# Allegro board LAY-29364_B.brd
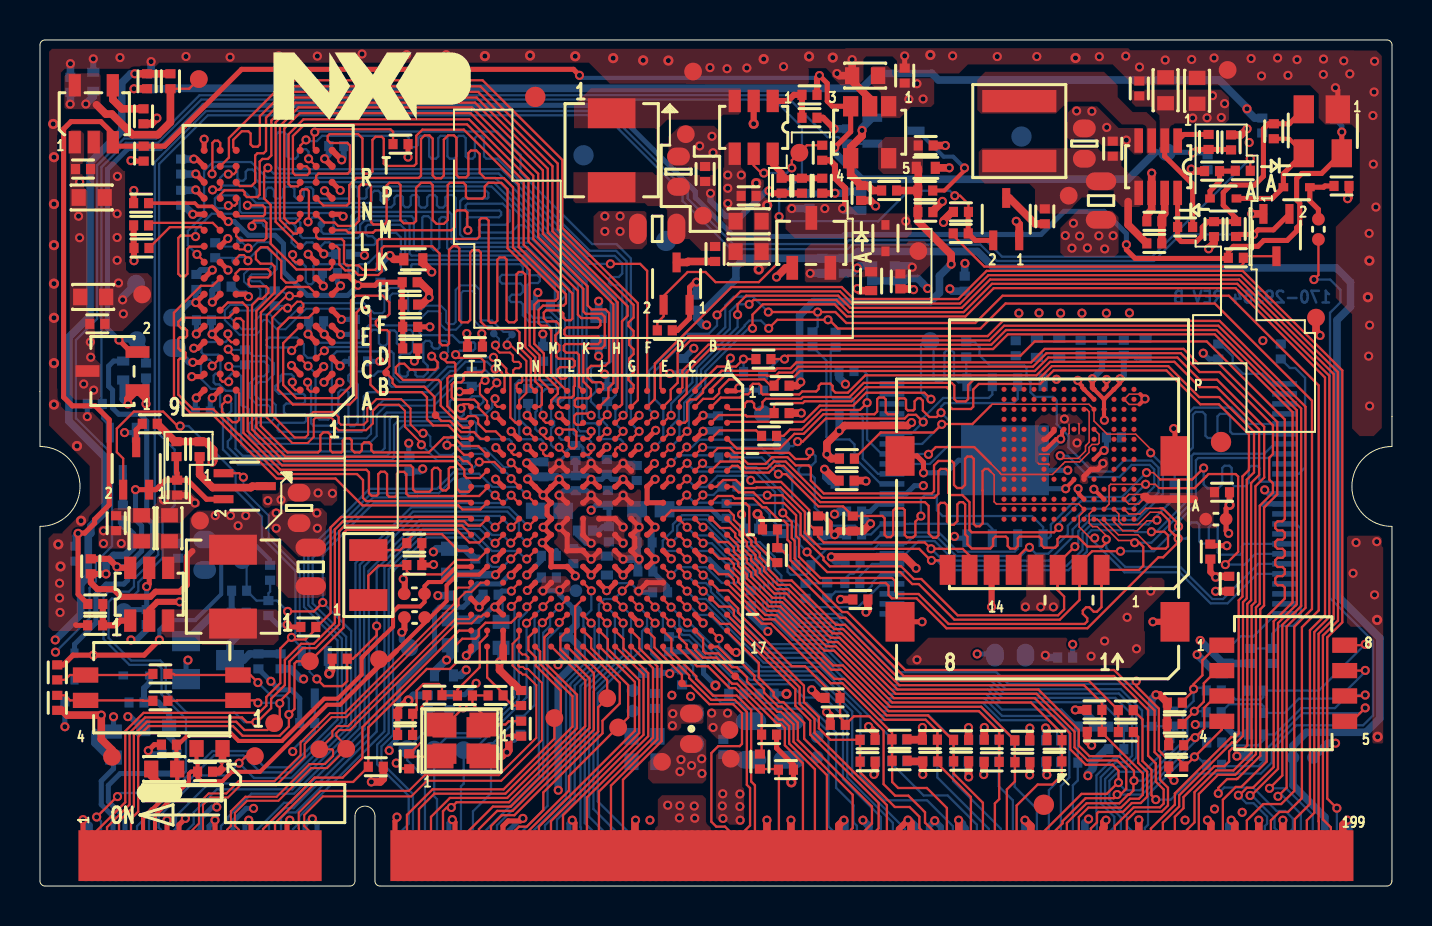
[diagram p0: board, top side]
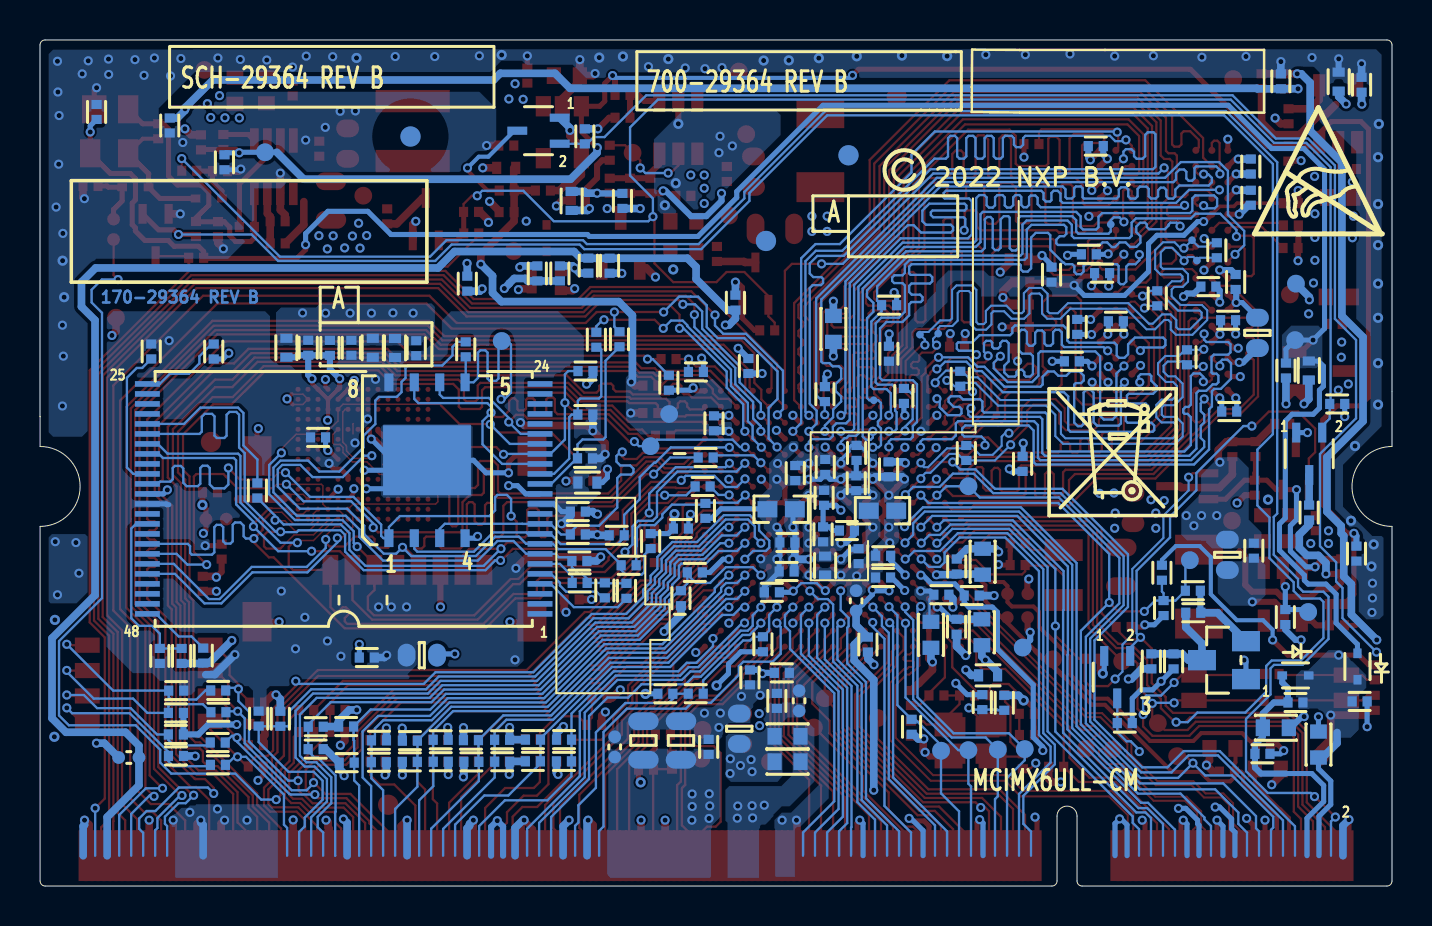
[diagram p1: board, bottom side, seen from below]

Outline 67.61 x 42.35 mm; copper layers: TOP, GND, POWER, BOTTOM. Coordinates in mm from the lower left corner of the outline.
Outline path: 0,42.09 arc(0.07,42.27) 0.25,42.35 67.35,42.35 arc(67.53,42.27) 67.61,42.09 67.61,23.5 67.6,23.49 67.6,22 arc(65.6,20) 67.6,18 67.6,0.25 arc(67.53,0.07) 67.35,0 17,0 arc(16.82,0.07) 16.75,0.25 16.75,3.5 arc(16.25,4) 15.75,3.5 15.75,0.25 arc(15.68,0.07) 15.5,0 0.25,0 arc(0.07,0.07) 0,0.25 0,18 arc(2,19.94) 0.12,22 0,22 0,24.75 0,42.09

## Design rules (mm)
constraint set DEFAULT: min track width 0.114, pair gap 0.152
net group DIFFPAIR0: nets USB_OTG2_DN USB_OTG2_DP
net group DIFFPAIR4: nets CLK1_N CLK1_P
net group DIFFPAIR5: nets USB_OTG1_DN USB_OTG1_DP
net group M-DDRADDRESS: nets DRAM_ADDR1 DRAM_ADDR2 DRAM_ADDR3 DRAM_ADDR4 DRAM_ADDR5 DRAM_ADDR6 DRAM_ADDR7 DRAM_ADDR8 DRAM_ADDR9 DRAM_ADDR10 DRAM_ADDR11 DRAM_ADDR12 DRAM_ADDR13 DRAM_ADDR14 DRAM_ADDR15 DRAM_CAS_B DRAM_CS0_B DRAM_CS1_B DRAM_ODT0 DRAM_ODT1 DRAM_RAS_B DRAM_SDBA0 DRAM_SDBA1 DRAM_SDBA2 DRAM_SDWE_B
net group M-DDRDATA0: nets DRAM_DATA1 DRAM_DATA2 DRAM_DATA3 DRAM_DATA4 DRAM_DATA5 DRAM_DATA6 DRAM_DATA7 DRAM_DQM0
net group M-DDRDATA1: nets DRAM_DATA8 DRAM_DATA9 DRAM_DATA10 DRAM_DATA11 DRAM_DATA12 DRAM_DATA13 DRAM_DATA14 DRAM_DATA15 DRAM_DQM1 DRAM_SDQS1_N DRAM_SDQS1_P
net group M-SD1: nets SD1_CLK SD1_CMD SD1_DATA0 SD1_DATA1 SD1_DATA2 SD1_DATA3
net group NAND-DATA: nets NAND_DATA0
net group QSPIDATA: nets NAND_CLE NAND_NCE0 NAND_NCE1 NAND_NREADY
nets with their own width: min track width 0.203; nets NVCC_NAND

## Placement (name value [footprint] x y rotation side)
C101  22UF  [CC0603_OV]  12.95 18.92 90 top
C102  0.22uF  [0402_CC]  30.27 15.74 0 bottom
C103  0.22uF  [0402_CC]  30.24 17.2 0 bottom
C106  22UF  [CC0603]  30.54 18.86 0 bottom
C107  4.7uF  [CC0402_TOL0P15]  28.35 16.04 270 bottom
C108  0.22uF  [0402_CC]  27.25 17.79 0 bottom
C109  0.22uF  [0402_CC]  28.45 17.6 90 bottom
C111  0.22uF  [0402_CC]  28.4 19.43 270 bottom
C112  0.22uF  [0402_CC]  26.67 16.51 270 bottom
C113  0.22uF  [0402_CC]  26.79 20.16 90 bottom
C116  22UF  [CC0603]  25.48 18.78 180 bottom
C117  4.7uF  [CC0402_TOL0P15]  20.2 10.54 180 bottom
C118  0.22uF  [0402_CC]  25.45 15.44 0 bottom
C119  0.22uF  [0402_CC]  21.77 12.98 270 bottom
C120  10uF  [0603_CC]  20.51 12.7 270 bottom
C121  0.22uF  [0402_CC]  22.53 14.58 180 bottom
C122  10uF  [0603_CC]  23.05 12.57 270 bottom
C123  0.22uF  [0402_CC]  21.02 14.54 180 bottom
C124  0.22uF  [0402_CC]  25.44 16.53 0 bottom
C201  0.22UF  [0402_CC]  25.17 20.86 270 bottom
C202  0.22UF  [0402_CC]  17.02 30.6 90 bottom
C203  0.22UF  [0402_CC]  5.06 34.18 180 top
C204  0.22UF  [0402_CC]  25.16 26.64 90 bottom
C205  0.22UF  [0402_CC]  15.16 31.62 0 bottom
C206  0.22UF  [0402_CC]  14.5 30.68 0 bottom
C207  0.22UF  [0402_CC]  13.81 28.27 0 bottom
C208  0.22UF  [0402_CC]  7.82 30.23 270 bottom
C209  0.22UF  [0402_CC]  9.18 30 180 bottom
C210  0.22UF  [0402_CC]  14.81 37.04 0 bottom
C211  22UF  [CC0603_OV]  6.73 27.69 90 bottom
C212  0.22UF  [0402_CC]  26.77 21.68 270 bottom
C213  0.22UF  [0402_CC]  15.74 27.99 270 bottom
C214  0.22UF  [0402_CC]  16.01 26.26 0 bottom
C215  0.22UF  [0402_CC]  29.84 20.67 270 bottom
C216  0.22UF  [0402_CC]  21.75 26.99 180 top
C217  0.22UF  [0402_CC]  8.14 23.75 180 bottom
C218  0.22UF  [0402_CC]  8.2 28.32 0 bottom
C219  0.22UF  [0402_CC]  7.06 34.45 270 bottom
C220  0.22UF  [0402_CC]  7.06 36.01 270 bottom
C221  0.22UF  [0402_CC]  28.34 20.98 270 bottom
C222  0.1uF  [0402_CC]  18.48 30.22 180 top
C223  4.7uF  [CC0402_TOL0P15]  18.67 31.37 180 top
C224  0.1uF  [0402_CC]  18.51 26.91 0 top
C225  10uF  [0603_CC]  27.93 27.88 90 bottom
C226  0.22UF  [0402_CC]  18.47 21.13 90 bottom
C227  2.2pF  [0402_CC]  11.74 29.42 90 bottom
C228  2.2pF  [0402_CC]  10.25 26.46 270 bottom
C229  2.2pF  [0402_CC]  21.29 21.68 270 bottom
C230  2.2pF  [0402_CC]  21.59 25.39 270 bottom
C301  4.7uF  [CC0402_TOL0P15]  50.97 26.94 90 bottom
C303  0.1uF  [0402_CC]  52.04 26.94 90 bottom
C304  4.7uF  [CC0402_TOL0P15]  55.28 26.94 90 bottom
C305  0.1uF  [0402_CC]  54.19 26.94 90 bottom
C306  0.1uF  [0402_CC]  53.11 26.94 90 bottom
C308  4.7uF  [CC0402_TOL0P15]  40.23 20.19 180 bottom
C309  0.1uF  [0402_CC]  40.71 18.74 180 bottom
C310  0.1uF  [0402_CC]  58.52 16.74 270 top
C311  0.1uF  [0402_CC]  59.11 19.71 0 top
C312  1.0UF  [CC0402_25]  58.8 18.36 0 top
C313  0.1uF  [0402_CC]  51.26 11.44 0 bottom
C314  22UF  [CC0603_OV]  48.51 11.56 180 bottom
C315  0.1uF  [0402_CC]  48.79 26.92 90 bottom
C316  4.7uF  [CC0402_TOL0P15]  49.85 26.93 90 bottom
C318  0.1uF  [0402_CC]  53.7 22.46 180 bottom
C319  0.1uF  [0402_CC]  46.24 30.15 90 bottom
C321  0.1uF  [0402_CC]  40.34 20.29 180 top
C322  0.1uF  [0402_CC]  41.02 14.34 0 top
C323  0.1uF  [0402_CC]  59.47 15.13 90 top
C401  0.22UF  [0402_CC]  31.01 14.7 0 bottom
C402  0.22UF  [0402_CC]  32.1 10.44 270 bottom
C403  0.22UF  [0402_CC]  35.56 17.89 0 bottom
C404  0.22UF  [0402_CC]  32.18 26.03 90 bottom
C405  0.22UF  [0402_CC]  33.9 23.16 90 bottom
C407  1.0UF  [CC0402_25]  18.73 13.44 180 top
C408  10uF  [0603_CC]  20.47 16.23 90 bottom
C409  0.1uF  [0402_CC]  21.77 15.99 90 bottom
C410  0.1uF  [0402_CC]  26.21 12.09 270 bottom
C411  1.0UF  [CC0402_25]  26.8 14.27 90 bottom
C412  1.0UF  [CC0402_25]  18.72 14.63 180 top
C413  0.22UF  [0402_CC]  30.51 10.67 180 bottom
C414  820pF  [0402_CC]  36.5 17.85 0 top
C415  18PF  [0402_CC]  37.07 17.27 270 bottom
C416  18PF  [0402_CC]  37.3 5.83 0 top
C417  18PF  [0402_CC]  36.34 9.62 180 bottom
C418  18PF  [0402_CC]  36.16 25.19 90 bottom
C420  18PF  [0402_CC]  31.46 12.1 90 bottom
C421  18PF  [0402_CC]  36.46 7.58 0 top
C422  18PF  [0402_CC]  34.81 25.73 0 bottom
C423  18PF  [0402_CC]  34.33 18.78 90 bottom
C501  0.1uF  [0402_CC]  12.03 11.25 270 bottom
C503  0.1uF  [0402_CC]  11.42 13.91 270 bottom
C505  18PF  [0402_CC]  18.26 8.62 180 top
C506  18PF  [0402_CC]  24.06 7.88 270 top
C507  18PF  [0402_CC]  18.72 16.06 0 top
C508  18PF  [0402_CC]  18.72 17.16 0 top
C701  10uF  [0603_CC]  2.66 29.48 0 top
C702  10uF  [0603_CC]  5.08 17.91 90 top
C703  0.1uF  [0402_CC]  3.81 18.16 90 top
C704  10uF  [0603_CC]  6.48 17.91 90 top
C705  22UF  [CC0603_OV]  8.23 16.58 270 bottom
C706  0.1uF  [0402_CC]  6.91 16.78 270 bottom
C707  0.1uF  [0402_CC]  2.76 13.05 180 top
C708  0.1uF  [0402_CC]  2.86 28.14 0 top
C709  4.7uF  [CC0402_TOL0P15]  4.16 25.8 270 bottom
C710  0.1uF  [0402_CC]  5.3 25.8 270 bottom
C711  10uF  [0603_CC]  56.28 39.83 90 top
C712  10uF  [0603_CC]  57.86 39.8 90 top
C713  0.1uF  [0402_CC]  54.97 39.92 90 top
C714  22UF  [CC0603_OV]  52.22 37.16 90 top
C715  0.1uF  [0402_CC]  53.64 36.9 90 top
C716  10uF  [0603_CC]  2.58 34.46 0 top
C717  0.1uF  [0402_CC]  2.15 35.89 0 top
C718  4.7uF  [CC0402_TOL0P15]  2.67 40.26 90 bottom
C719  0.1uF  [0402_CC]  1.52 40.11 90 bottom
C720  0.022UF  [0402_CC]  5.18 38.53 270 top
C721  4.7uF  [CC0402_TOL0P15]  41.02 34.29 90 bottom
C722  0.1uF  [0402_CC]  38.48 34.29 90 bottom
C723  4.7uF  [CC0402_TOL0P15]  41.56 30.28 270 top
C724  0.1uF  [0402_CC]  43.02 30.27 270 top
C725  10uF  [0603_CC]  35.43 31.75 0 top
C726  0.1uF  [0402_CC]  35.43 34.54 0 top
C727  22UF  [CC0603_OV]  31.93 35.76 90 top
C728  0.1uF  [0402_CC]  33.26 35.64 90 top
C729  10uF  [0603_CC]  35.43 33.27 0 top
C730  10uF  [0603_CC]  41.26 40.56 180 top
C731  0.1uF  [0402_CC]  43.24 40.56 90 top
C732  4.7uF  [CC0402_TOL0P15]  44.29 35.95 0 top
C733  0.1uF  [0402_CC]  44.29 37.06 0 top
C735  0.1uF  [0402_CC]  38.48 38.46 0 top
C736  0.1uF  [0402_CC]  46.05 33.74 180 top
C737  0.22UF  [0402_CC]  58.7 32.88 270 top
C738  1.0UF  [CC0402_25]  63.93 32.87 90 top
C739  1000pF  [0402_CC]  58.61 35.78 180 top
C740  0.1uF  [0402_CC]  64.78 38.74 90 bottom
C741  0.1uF  [0402_CC]  61.12 38.06 270 bottom
C742  0.1uF  [0402_CC]  5.56 40.28 90 bottom
C743  1000pF  [0402_CC]  1.78 16.64 270 bottom
C744  1000pF  [0402_CC]  5.18 36.66 270 top
C745  1000pF  [0402_CC]  2.74 24.13 180 bottom
C746  1000pF  [0402_CC]  31.24 27.81 0 top
C747  1000pF  [0402_CC]  58.38 36.22 270 bottom
C801  10uF  [0603_CC]  3.68 7.08 90 bottom
C802  0.1uF  [0402_CC]  1.62 9.24 180 bottom
C803  10uF  [0603_CC]  5.81 7.92 180 bottom
C804  0.1uF  [0402_CC]  6.48 6.62 180 bottom
C805  4.7uF  [0603_CC]  6.21 5.86 180 top
C806  0.1uF  [0402_CC]  6.45 7.08 180 top
C807  4.7uF  [0603_CC]  8.48 6.89 0 top
C808  0.1uF  [0402_CC]  8.25 5.73 0 top
C809  1.0UF  [CC0402_25]  63.17 6.43 0 bottom
C811  0.1uF  [0402_CC]  34.17 6.96 90 bottom
C812  1.0UF  [CC0402_25]  38.87 6.96 90 bottom
C813  47uF  [CC0805_OV]  35.55 7.29 90 bottom
C814  47uF  [CC0805_OV]  37.43 7.29 90 bottom
C815  0.1uF  [0402_CC]  30.76 9.27 90 bottom
C816  1.0UF  [CC0402_25]  29.65 9.27 90 bottom
C817  22UF  [CC0603_OV]  32.64 7.87 90 bottom
C818  0.1uF  [0402_CC]  32.83 29.2 90 bottom
C819  22pF  [0402_CC]  37.08 35.05 90 top
C820  22pF  [0402_CC]  2.54 16 90 top
D102  RB521S30T1G  [SOD_523]  1.73 10.99 270 bottom
D103  RB521S30T1G  [SOD_523]  4.83 10.54 180 bottom
D701  RB521S30T1G  [SOD_523]  42.28 32.43 90 top
D702  RB521S30T1G  [SOD_523]  59.17 34.41 180 top
D705  RB521S30T1G  [SOD_523]  62.84 34.98 0 top
J301  CON_SD_CARD8  [CON8_MICROSD_1P1_SMT]  49.88 18.48 0 top
L701  1uH  [IND_4020]  48.97 37.79 270 top
L702  2.2uH  [IND2_SQ4P31_2_SM]  9.65 14.99 90 top
L703  2.2uH  [IND2_SQ4P31_2_SM]  28.58 36.83 270 top
L801  120OHM  [0603_CC]  30.23 6.22 180 bottom
L802  120OHM  [0603_CC]  30.23 7.49 180 bottom
NOREF  -  []  43 13.23 0 top
NOREF#2  -  []  -61.73 19.12 90 top
NOREF#3  -  []  -61.73 19.12 0 top
NOREF#4  -  []  4.88 24.82 90 top
NOREF#5  -  []  49.85 26.46 90 top
NOREF#6  -  [unnamed#2]  50.2 4.07 0 top
NOREF#7  -  []  -24.27 8.35 90 top
NOREF#8  -  []  41.23 30.85 0 top
NOREF#9  -  []  55.53 23.39 90 top
NOREF#10  -  []  58.51 34.41 0 top
NOREF#11  -  []  38.58 -21.86 90 top
NOREF#12  -  []  -61.73 19.12 90 top
NOREF#13  -  []  28.35 15.57 90 top
NOREF#14  -  []  40.12 31.29 90 top
NOREF#15  -  []  41.52 -30.56 0 top
NOREF#16  -  []  38.58 -20.56 0 top
NOREF#17  -  []  -352.81 199.14 0 top
NOREF#18  -  []  58.26 2.1 90 top
NOREF#19  -  []  40.81 19.87 0 top
NOREF#20  -  []  56.11 26.37 90 top
NOREF#21  -  []  33.52 -10.65 0 top
NOREF#22  -  []  48.89 25.21 0 top
NOREF#23  -  []  40.83 8.96 90 top
NOREF#24  -  []  60.58 20.29 0 top
NOREF#25  -  []  40.7 33.71 0 top
NOREF#26  -  []  9.65 13.14 90 top
NOREF#27  -  []  -24.92 12.43 90 top
NOREF#28  -  []  2.18 10.34 90 top
NOREF#29  -  []  41.56 29.8 90 top
NOREF#30  -  []  46.35 17.41 90 top
NOREF#31  -  []  -26.46 -46.29 0 top
NOREF#32  -  []  -13.01 -44.79 90 top
NOREF#33  -  []  50.64 26.37 0 top
NOREF#34  -  []  4.53 24.23 90 top
NOREF#35  -  []  44.61 -29.09 0 top
NOREF#36  -  []  32.57 -10.65 90 top
NOREF#37  -  []  38.16 -10.3 90 top
NOREF#38  -  []  -9.52 -21.76 0 top
NOREF#39  -  []  -25.91 -44.79 0 top
NOREF#40  -  []  50.68 26.36 90 top
NOREF#41  -  []  40.38 9.52 90 top
NOREF#42  -  []  35.46 34.78 0 top
NOREF#43  -  []  55.6 14.03 0 top
NOREF#44  -  []  41.96 19.87 90 top
NOREF#45  -  []  -47.42 69.06 90 top
NOREF#46  -  []  18.47 -43.03 0 top
NOREF#47  -  []  51.79 26.37 90 top
NOREF#48  -  []  2.28 10.56 0 top
NOREF#49  -  []  60.41 1.55 0 top
NOREF#50  -  []  37.72 -40.48 90 top
NOREF#51  -  []  37.52 -30.56 0 top
NOREF#52  -  []  62.17 34.98 0 top
NOREF#53  -  []  -23.46 -38.79 0 top
NOREF#54  -  []  9.32 7.84 0 top
NOREF#55  -  []  0 0 0 top
NOREF#56  -  []  -392.57 -304.73 0 top
NOREF#57  -  []  2.67 39.78 90 top
NOREF#58  -  []  3.49 39.68 90 top
NOREF#59  -  []  2.34 39.68 0 top
NOREF#60  -  []  33.18 -30.4 90 top
NOREF#61  -  []  27.52 15.97 90 top
NOREF#62  -  []  -23.62 10.57 90 top
NOREF#63  -  []  28.58 34.98 90 top
NOREF#64  -  []  49.53 26.36 0 top
NOREF#65  -  []  41.85 33.71 90 top
NOREF#66  -  []  41.02 33.82 90 top
NOREF#67  -  []  -12.46 -46.29 90 top
NOREF#68  -  []  53.3 17.26 90 top
NOREF#69  -  []  20.39 31.69 90 top
NOREF#70  -  []  -24.92 13.73 0 top
NOREF#71  -  []  58.5 11.48 90 top
NOREF#72  -  []  33.18 -29.09 0 top
NOREF#73  -  []  11.81 8.52 90 top
NOREF#74  -  []  32.57 -10.65 0 top
NOREF#75  -  []  58.5 11.48 90 top
NOREF#76  -  []  58.43 20.84 90 top
NOREF#77  -  []  -67.78 1.57 90 top
NOREF#78  -  []  37.02 31.29 0 top
NOREF#79  -  []  42.28 31.77 90 top
NOREF#80  -  []  4.18 10.09 0 top
NOREF#81  -  []  37.72 -40.48 0 top
NOREF#82  -  []  60.41 -7.72 0 top
NOREF#83  -  []  44.93 -31.05 0 top
NOREF#84  -  []  8.97 2.39 0 top
NOREF#85  -  []  -88.68 1.57 0 top
NOREF#86  -  []  33.5 -31.05 0 top
NOREF#87  -  []  0 0 0 top
NOREF#88  -  []  4 -26.03 0 top
NOREF#89  -  []  48.52 -18.56 0 top
NOREF#90  -  []  39.76 20.19 0 top
NOREF#91  -  []  6.77 -18.66 90 top
NOREF#92  -  []  43.66 -13.42 90 top
NOREF#93  -  []  20.77 10.22 0 top
NOREF#94  -  []  2.72 27.33 0 top
NOREF#95  -  []  37.61 30.94 90 top
NOREF#96  -  []  0 41.37 0 top
NOREF#97  -  []  4.88 24.82 90 top
NOREF#98  -  []  42.52 -36.56 0 top
NOREF#99  -  []  44.52 -42.56 0 top
NOREF#100  -  []  35.14 34.13 90 top
NOREF#101  -  []  21.75 -29.09 0 top
NOREF#102  -  []  55.6 14.03 90 top
NOREF#103  -  []  9.9 9.29 90 top
NOREF#104  -  []  40.38 9.52 90 top
NOREF#105  -  []  40.83 8.96 0 top
NOREF#106  -  []  42.61 -16.47 0 top
NOREF#107  -  []  -13.75 -24.55 90 top
NOREF#108  -  []  43 13.23 90 top
NOREF#109  -  []  58.52 34.86 0 top
NOREF#110  -  []  1.73 10.33 90 top
NOREF#111  -  []  35.14 35.43 0 top
NOREF#112  -  []  43.01 10.55 90 top
NOREF#113  -  []  43.66 -15.82 90 top
NOREF#114  -  []  42.52 -36.56 90 top
NOREF#115  -  []  39.23 -21.54 90 top
NOREF#116  -  []  58.43 20.84 90 top
NOREF#117  -  []  108 -34.72 0 top
NOREF#118  -  []  67.86 1.55 90 top
NOREF#119  -  []  -66.53 29.12 90 top
NOREF#120  -  []  60.65 10.93 0 top
NOREF#121  -  []  4.16 10.54 0 top
NOREF#122  -  []  -66.53 29.12 0 top
NOREF#123  -  []  -9.52 -21.76 90 top
NOREF#124  -  []  68.03 20.29 90 top
NOREF#125  -  []  45.2 17.26 0 top
NOREF#126  -  [unnamed#2]  59.06 22.23 0 top
NOREF#127  -  []  43.82 35.95 0 top
NOREF#128  -  []  60.89 34.53 0 top
NOREF#129  -  []  5.63 26.38 90 top
NOREF#130  -  []  19.72 10.54 0 top
NOREF#131  -  []  25.37 -45.18 90 top
NOREF#132  -  []  4 -27.45 90 top
NOREF#133  -  []  43 13.23 0 top
NOREF#134  -  []  7.5 8.52 0 top
NOREF#135  -  []  36.52 -40.56 90 top
NOREF#136  -  []  4.18 -28.2 90 top
NOREF#137  -  []  21.75 -30.4 90 top
NOREF#138  -  []  -23.62 11.87 0 top
NOREF#139  -  []  4.75 -28.77 0 top
NOREF#140  -  []  42.52 -36.56 90 top
NOREF#141  -  []  45.82 33.24 90 top
NOREF#142  -  []  27.52 16.62 0 top
NOREF#143  -  []  55.36 -4.62 90 top
NOREF#144  -  []  58.26 2.1 90 top
NOREF#145  -  []  43.01 10.55 90 top
NOREF#146  -  []  45.38 15.83 0 top
NOREF#147  -  []  4.16 25.33 90 top
NOREF#148  -  []  201.79 -98.99 0 top
NOREF#149  -  [unnamed#2]  24.77 39.5 0 top
NOREF#150  -  []  17.92 -45.18 0 top
NOREF#151  -  []  42.52 -36.56 0 top
NOREF#152  -  []  44.87 35.62 90 top
NOREF#153  -  []  6.77 -18.66 90 top
NOREF#154  -  []  7.82 -20.96 90 top
NOREF#155  -  []  -12.15 -25.11 90 top
NOREF#156  -  []  -24.27 12.75 90 top
NOREF#157  -  []  40.21 -16.47 0 top
NOREF#158  -  []  54.96 26.37 0 top
NOREF#159  -  []  55.53 23.39 0 top
NOREF#160  -  []  7.22 0 90 top
NOREF#161  -  []  30.74 34.68 0 top
NOREF#162  -  []  37.61 30.94 0 top
NOREF#163  -  []  37.52 -42.56 0 top
NOREF#164  -  []  11.68 38.35 0 top
NOREF#165  -  []  18.47 -43.03 90 top
NOREF#166  -  []  55.36 4.65 0 top
NOREF#167  -  []  55.28 26.47 90 top
NOREF#168  -  []  43.72 35.62 0 top
NOREF#169  -  []  -9.82 -22.47 90 top
NOREF#170  -  []  9.77 2.39 90 top
NOREF#171  -  []  48.52 -40.31 90 top
NOREF#172  -  []  45.52 -42.56 0 top
NOREF#173  -  []  21.02 -40.13 0 top
NOREF#174  -  []  58.26 -7.17 90 top
NOREF#175  -  []  22.07 -31.05 0 top
NOREF#176  -  []  43 13.23 90 top
NOREF#177  -  []  35.46 -16.47 0 top
NOREF#178  -  []  19.24 31.69 0 top
NOREF#179  -  []  41.43 31.78 0 top
NOREF#180  -  []  35.07 -10.3 0 top
NOREF#181  -  []  55.36 4.65 90 top
NOREF#182  -  []  18.19 31.37 0 top
NOREF#183  -  []  42.38 30.85 90 top
NOREF#184  -  []  44.61 -30.4 90 top
NOREF#185  -  []  48.52 -30.56 90 top
NOREF#186  -  []  68.1 10.93 90 top
NOREF#187  -  []  4.38 -16.76 0 top
NOREF#188  -  []  58.26 -7.17 90 top
NOREF#189  -  []  -15.35 -25.11 0 top
NOREF#190  -  []  4.48 26.38 0 top
NOREF#191  -  []  21.92 10.22 90 top
NOREF#192  -  []  55.36 -4.62 0 top
NOREF#193  -  []  -10.22 -22.07 0 top
NOREF#194  -  []  35.05 34.68 90 top
NOREF#195  -  []  66.04 30.23 0 top
NOREF#196  -  []  67.86 -7.72 90 top
NOREF#197  -  []  13.48 7.84 90 top
NOREF#198  -  []  8.64 2.41 0 top
NOREF#199  -  []  -12.46 -39.19 90 top
NOREF#200  -  []  -56.02 -91.37 0 top
NOREF#201  -  []  18.47 -43.03 0 top
NOREF#202  -  []  35.46 -20.57 90 top
NOREF#203  -  []  66.93 1.3 0 top
NOREF#204  -  []  4.73 -20.96 0 top
NOREF#205  -  []  45.38 15.83 0 top
NOREF#206  -  []  50.97 26.47 90 top
NOREF#207  -  []  -55.14 19.12 0 top
NOREF#208  -  [unnamed#2]  27.18 36.58 180 bottom
NOREF#209  -  [unnamed#2]  49.08 37.51 180 bottom
NOREF#210  -  []  6.86 32.64 180 bottom
NOREF#211  -  []  -11.72 55.55 0 bottom
NOREF#212  -  []  17.15 18.54 180 bottom
NOREF#213  -  [unnamed#2]  31.3 32.29 180 bottom
NOREF#214  -  []  24.38 35.81 180 bottom
NOREF#215  -  []  66.04 30.23 180 bottom
P801  DDR_SODIMM_EDGE FINGERS  [SODIMM_67589]  33.83 1.52 0 top
Q501  RYU002N05  [SOT323_3]  13.74 10.45 0 bottom
Q701  RYU002N05  [SOT323_3]  4.81 20.9 0 top
Q702  2SK3018  [SOT323_3]  10.24 20.01 270 top
Q703  2SK3018  [SOT323_3]  42.68 37.81 90 bottom
Q704  2SK3018  [SOT323_3]  61.83 32.58 180 top
Q705  2SK3018  [SOT323_3]  48.31 33.38 0 top
Q706  2SK3018  [SOT323_3]  31.83 30.15 0 top
Q707  2SK3018  [SOT323_3]  4.14 21.64 0 bottom
R101  1K  [0402_CC]  4.83 9.19 180 bottom
R201  10K  [0402_CC]  18.03 37.13 180 top
R202  10K  [0402_CC]  28.36 24.62 90 bottom
R203  10K  [0402_CC]  25.15 29.07 180 bottom
R204  240  [0402_CC]  5.06 33.07 0 top
R205  240  [0402_CC]  24.41 24.53 90 bottom
R206  470  [0402_CC]  8.76 31.82 90 bottom
R207  1.5K  [0402_CC]  18.51 29.1 180 top
R208  1.5K  [0402_CC]  18.51 27.99 0 top
R209  240  [0402_CC]  5.07 31.93 180 top
R301  10K  [0402_CC]  40.33 25.78 180 bottom
R302  0  [0402_CC]  61.61 11.52 90 bottom
R303  10K  [0402_CC]  40.71 17.6 0 bottom
R304  0  [0402_CC]  38.28 14.78 270 bottom
R305  0  [0402_CC]  39.36 14.8 270 bottom
R306  0  [0402_CC]  40.62 15.17 0 bottom
R307  0  [0402_CC]  59.44 11.53 270 bottom
R308  0  [0402_CC]  60.52 11.52 270 bottom
R309  0  [0402_CC]  62.04 26.76 90 bottom
R310  0  [0402_CC]  58.92 26.75 270 bottom
R311  0  [0402_CC]  38.63 27.37 270 bottom
R312  0  [0402_CC]  39.78 27.34 270 bottom
R315  10K  [0402_CC]  40.64 18.14 90 top
R317  10K  [0402_CC]  40.63 16.27 0 bottom
R318  10K  [0402_CC]  38.77 17.55 180 bottom
R319  10K  [0402_CC]  40.35 21.41 0 bottom
R320  10K  [0402_CC]  40.34 23.6 0 bottom
R321  10K  [0402_CC]  38.9 18.15 270 top
R322  10K  [0402_CC]  40.35 21.39 0 top
R323  0  [0402_CC]  46.32 26.86 90 bottom
R324  0  [0402_CC]  56.74 19.8 270 bottom
R402  10K  [0402_CC]  37.08 25.04 180 top
R403  10K  [0402_CC]  37.08 23.67 180 top
R404  0  [0402_CC]  54.29 8.81 0 top
R405  0  [0402_CC]  54.3 7.71 0 top
R406  10  [0402_CC]  38.17 16.06 0 bottom
R407  10  [0402_CC]  34.47 20 0 bottom
R408  10  [0402_CC]  34.32 21.45 0 bottom
R409  10  [0402_CC]  34.82 9.63 0 bottom
R410  10  [0402_CC]  36 6.23 270 top
R411  10  [0402_CC]  36.17 26.37 0 top
R412  0  [0402_CC]  36.46 22.53 0 top
R413  10  [0402_CC]  36.87 16.56 90 top
R501  0  [0402_CC]  9.94 13.68 180 bottom
R503  10K  [0402_CC]  24.02 7.97 270 bottom
R507  10K  [0402_CC]  16.79 5.97 0 top
R508  1M  [0402_CC]  21.25 9.54 0 top
R510  2.2M  [0402_CC]  18.26 7.56 180 top
R511  1K  [0402_CC]  9.96 14.78 0 bottom
R512  1.5K  [0402_CC]  10.92 11.24 90 bottom
R513  1M  [0402_CC]  13.36 8.16 0 bottom
R514  0  [0402_CC]  22.78 9.54 0 top
R515  0  [0402_CC]  18.46 6.24 90 top
R516  0  [0402_CC]  19.39 9.17 90 bottom
R517  0  [0402_CC]  20.49 9.21 90 bottom
R518  0  [0402_CC]  19.73 9.55 180 top
R519  100K  [0402_CC]  11.5 15.68 270 bottom
R520  499  [0402_CC]  24.06 9.41 270 top
R601  10K  [0402_CC]  41.4 7.33 0 bottom
R602  10K  [0402_CC]  39.63 9.42 180 top
R603  10K  [0402_CC]  41.38 7.32 0 top
R604  10K  [0402_CC]  44.5 7.32 180 bottom
R605  10K  [0402_CC]  42.95 7.33 0 bottom
R606  10K  [0402_CC]  44.5 7.33 180 top
R607  10K  [0402_CC]  42.98 7.34 0 top
R608  10K  [0402_CC]  47.57 7.32 180 bottom
R609  10K  [0402_CC]  46.06 7.3 0 bottom
R610  10K  [0402_CC]  47.59 7.33 180 top
R611  10K  [0402_CC]  46.06 7.32 0 top
R612  10K  [0402_CC]  50.66 7.29 180 bottom
R613  10K  [0402_CC]  49.11 7.28 0 bottom
R614  10K  [0402_CC]  35.55 14.41 270 bottom
R615  10K  [0402_CC]  50.73 7.3 180 top
R616  10K  [0402_CC]  49.12 7.29 0 top
R617  1K  [0402_CC]  60.81 6.51 180 bottom
R618  1K  [0402_CC]  60.81 7.59 180 bottom
R619  1K  [0402_CC]  60.81 8.66 180 bottom
R620  1K  [0402_CC]  53.82 7.97 180 bottom
R621  10K  [0402_CC]  52.3 7.98 0 bottom
R622  10K  [0402_CC]  56.67 8.38 90 bottom
R623  10K  [0402_CC]  52.73 8.82 180 top
R624  1K  [0402_CC]  60.8 9.78 180 bottom
R625  10K  [0402_CC]  0.86 9.17 270 top
R626  10K  [0402_CC]  0.86 10.69 90 top
R627  0  [0402_CC]  58.71 6.07 0 bottom
R628  0  [0402_CC]  58.72 7.18 0 bottom
R629  0  [0402_CC]  58.68 8.7 0 bottom
R630  0  [0402_CC]  58.7 9.79 0 bottom
R631  10K  [0402_CC]  56.75 9.18 0 top
R632  10K  [0402_CC]  52.74 7.71 0 top
R633  10K  [0402_CC]  55.59 8.37 270 bottom
R634  10K  [0402_CC]  52.27 6.18 180 bottom
R635  10K  [0402_CC]  53.82 6.85 0 bottom
R636  10K  [0402_CC]  56.74 8.11 0 top
R637  10K  [0402_CC]  56.81 7.05 0 top
R638  10K  [0402_CC]  56.82 5.99 0 top
R639  10K  [0402_CC]  49.13 6.2 180 top
R640  10K  [0402_CC]  50.72 6.24 0 top
R641  10K  [0402_CC]  34.86 15.7 0 bottom
R642  10K  [0402_CC]  49.11 6.21 180 bottom
R643  10K  [0402_CC]  50.66 6.2 0 bottom
R644  10K  [0402_CC]  46.06 6.25 180 top
R645  10K  [0402_CC]  47.59 6.21 0 top
R646  10K  [0402_CC]  46.03 6.21 180 bottom
R647  10K  [0402_CC]  47.56 6.22 0 bottom
R648  10K  [0402_CC]  42.99 6.27 180 top
R649  10K  [0402_CC]  44.52 6.24 0 top
R650  10K  [0402_CC]  42.96 6.24 180 bottom
R651  10K  [0402_CC]  44.49 6.22 0 bottom
R652  10K  [0402_CC]  41.38 6.22 180 top
R653  10K  [0402_CC]  39.89 8.07 0 top
R654  10K  [0402_CC]  41.41 6.24 180 bottom
R655  0  [0402_CC]  6.02 10.62 180 top
R656  0  [0402_CC]  6.02 9.27 180 top
R701  0  [0402_CC]  41.61 30.66 270 bottom
R702  0  [0402_CC]  42.74 30.66 270 bottom